# Altium PCB Thunder-Refix.PcbDoc
Units mil, origin at the board's own origin, x right, y up, seen from the top; angles counter-clockwise.
Board outline 1535.43 x 1299.21 mil, 2 copper layers (Top Layer, Bottom Layer), stack 42.17 mil thick; 70 components, 67 nets, 317 pads, 81 vias.
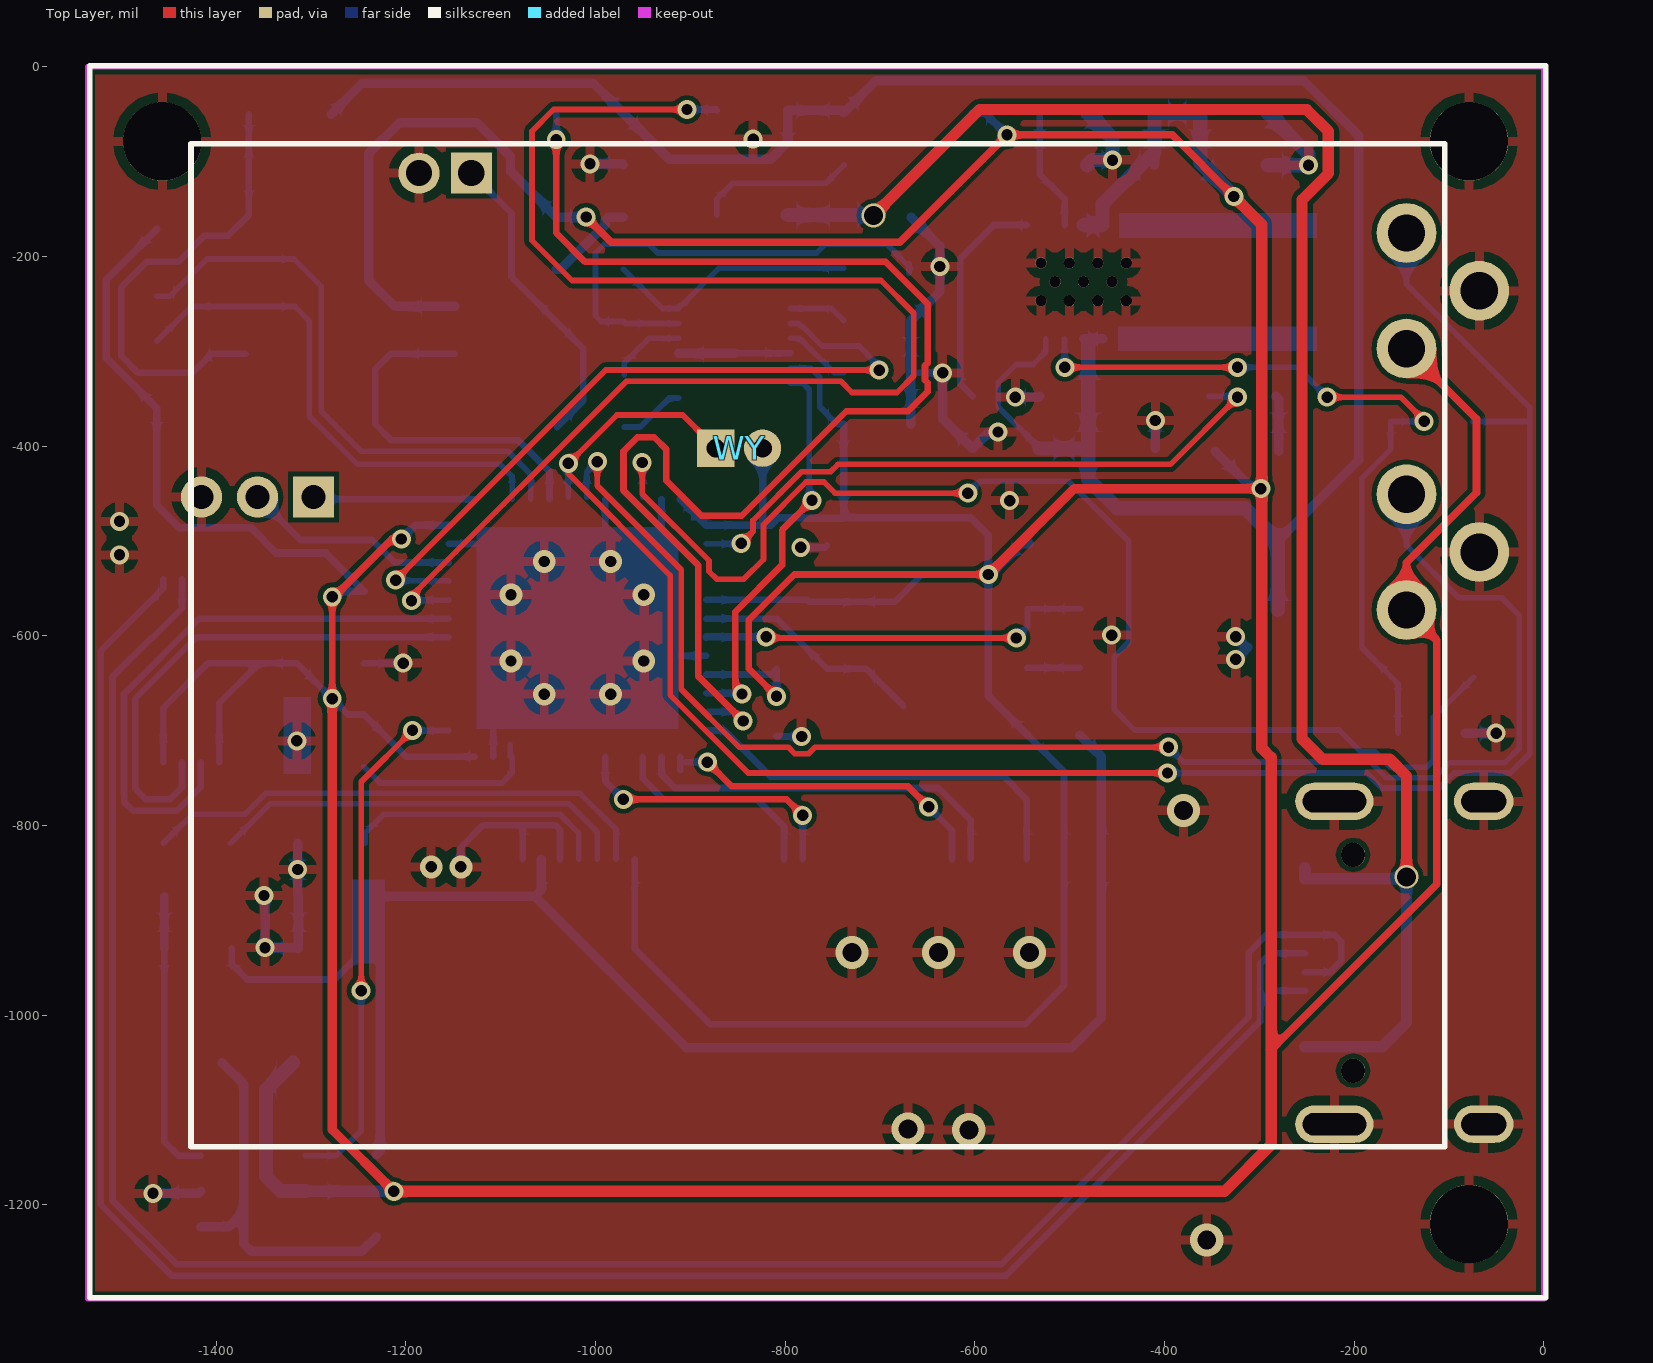
[diagram p0: Top Layer view]
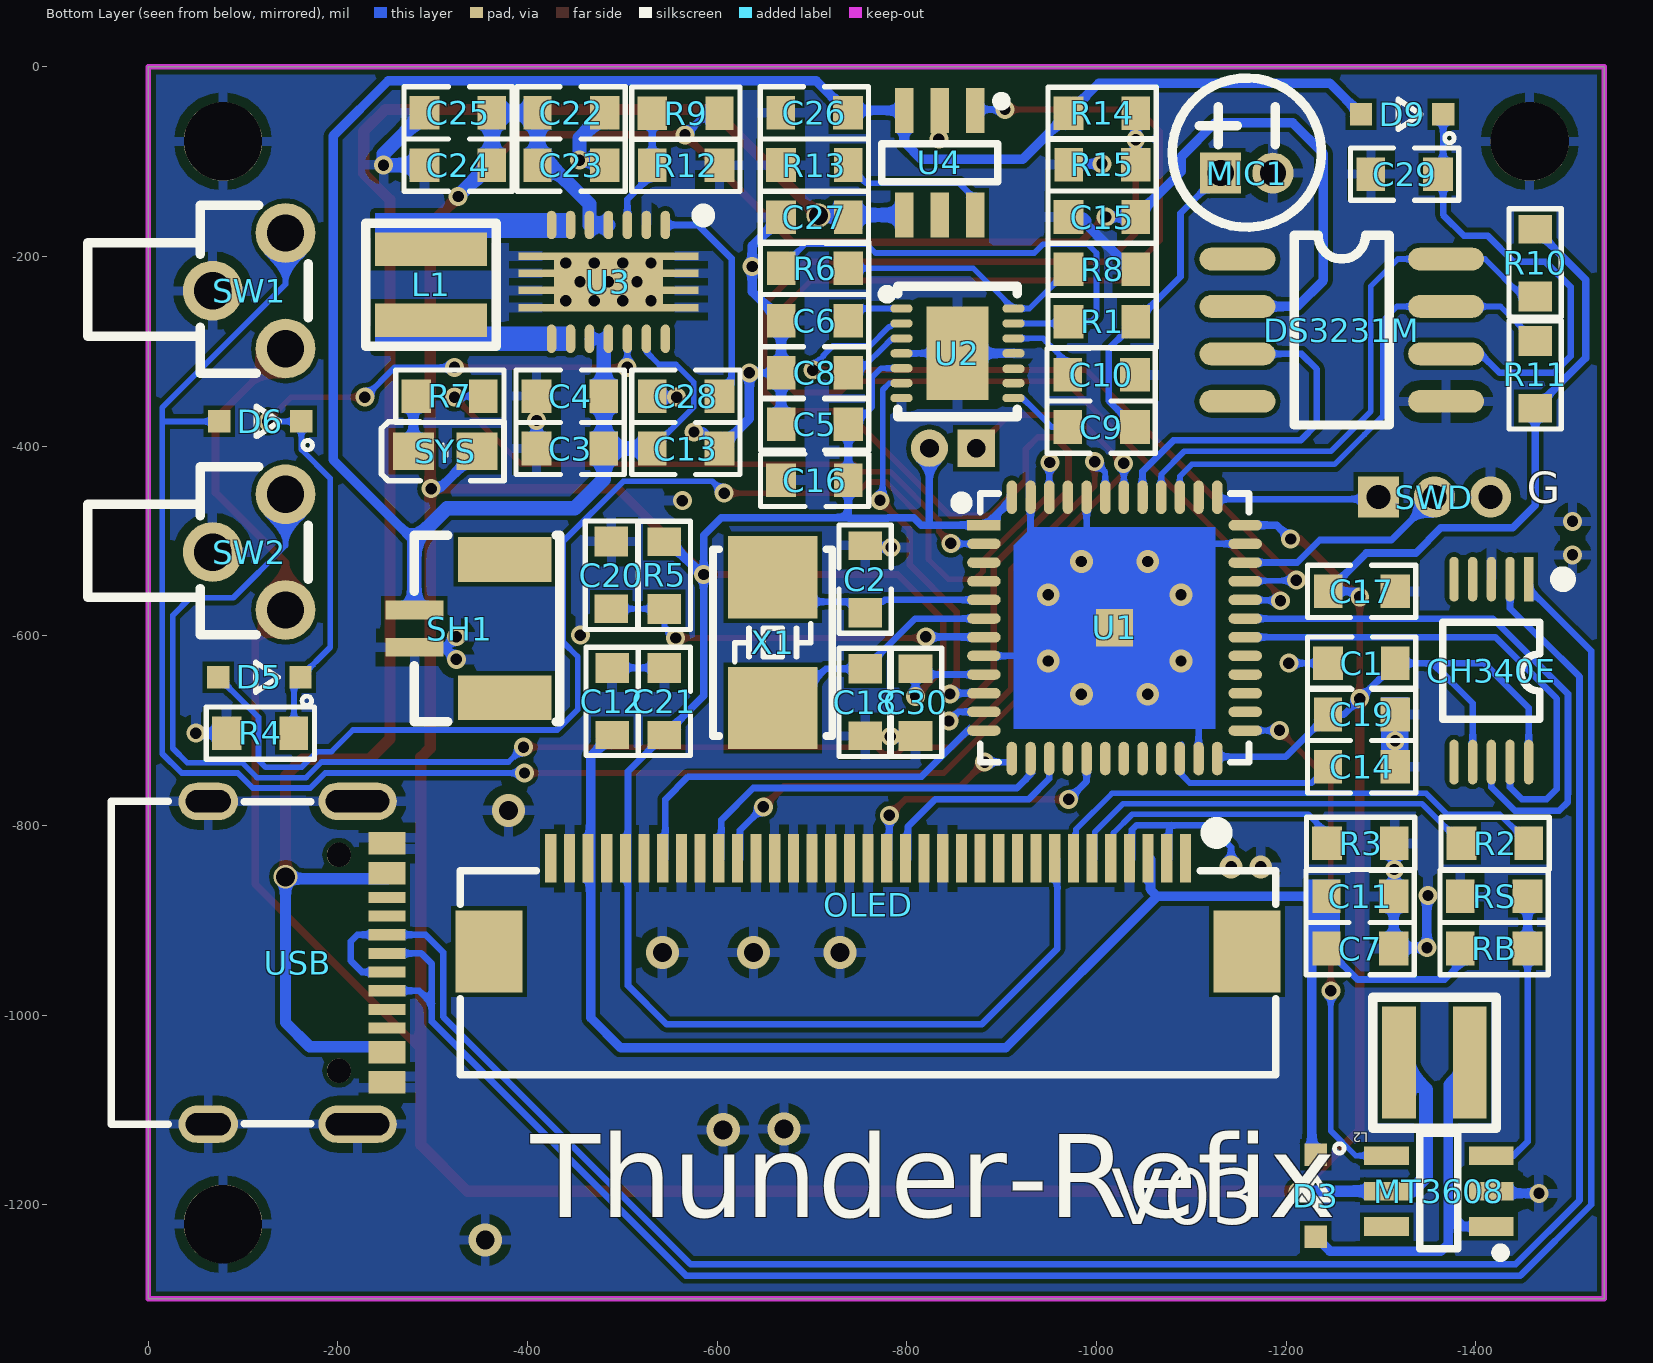
[diagram p1: Bottom Layer view, seen from below]
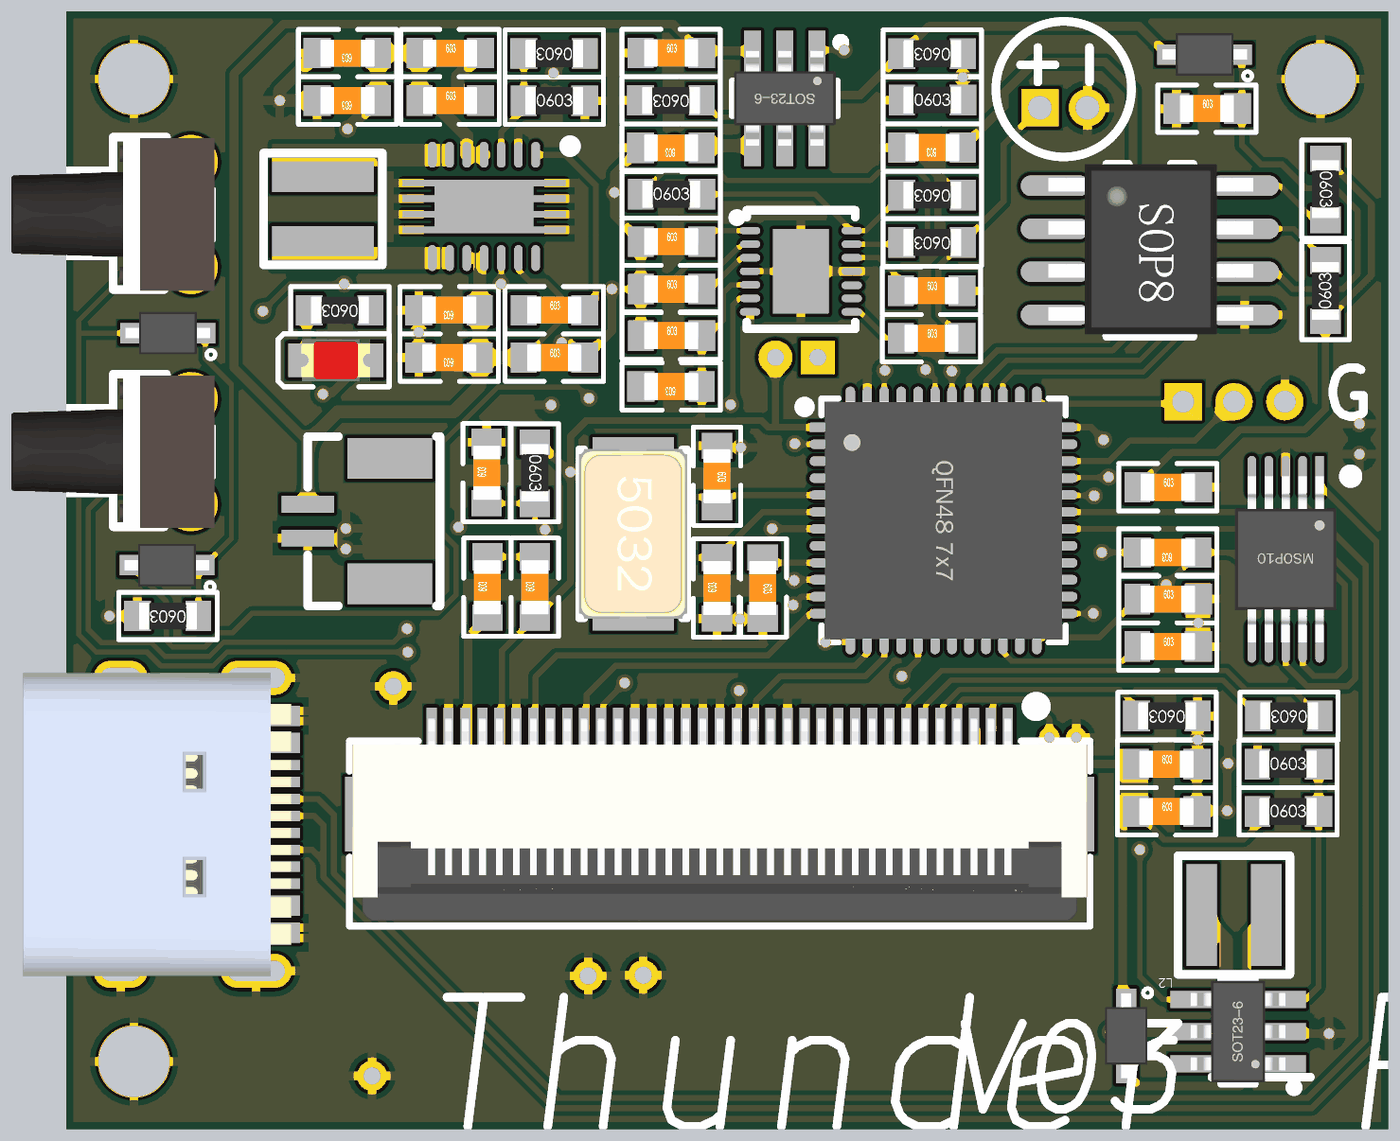
[diagram p2: 3D render of the assembled board from below, using the file's embedded part models]

## Layer stack, top to bottom
Top Solder: solder mask 0.4, Solder Resist, Dk 3.5
Top Layer: signal copper 1.4
Dielectric 1: dielectric 39.3701, FR-4, Dk 4.8
Bottom Layer: signal copper 1.4
Bottom Solder: solder mask 0.4, Solder Resist, Dk 3.5

## Board outline
-1535.43,-1299.21 -1535.43,0 0,0 0,-1299.21

## Design rules (kind name [scope] priority, off if disabled: settings)
Clearance [All] p1: gap=5 ignorepadtopadclearanceinfootprint=FALSE except(0: Arc-Hole Track-Hole SMDPad-Hole THPad-Hole Via-Hole Fill-Hole Poly-Hole Region-Hole Text-Hole)
ComponentClearance [All] p1 off: gap=10 collisioncheckmode=3 verticalgap=10 showdistances=FALSE
Height [All] p1 off: minheight=0 maxheight=1000 prefheight=500
PolygonConnect [All] p1: connectstyle=Relief reliefconductorwidth=10 reliefentries=4 polygonreliefangle="90 Angle" airgapwidth=10
RoutingVias [All] p1: holewidth=28 width=50 viastyle="Through Hole" minholewidth=28 minwidth=50 maxholewidth=28 maxwidth=50
SolderMaskExpansion [All] p1: expansion=4
Width [All] p1: maxlimit=40 minlimit=6 preferedwidth=10 bottomlayer_maxwidth=15 minimp=50.000000 maximp=50.000000 favimp=50.000000
28 further rules are at their usual default settings.

## Components (designator, comment, footprint, x,y, rotation, side; value= is the part's Value field where it differs from the comment)
C1 "0.1u" 0603C -1279.53,-628.94 r0 bottom
C2 "20P" 0603C -755.91,-540.35 r270 bottom
C3 "106" 0603c -444.88,-402.56 r0 bottom
C4 "106" 0603c -444.88,-347.44 r0 bottom
C5 "220nF" 0603c -702.75,-376.96 r180 bottom
C6 "100nF" 0603c -702.75,-267.71 r180 bottom
C7 "104" 0603C -1277.92,-929.86 r180 bottom
C8 "220nF" 0603c -702.75,-322.82 r180 bottom
C9 "100nF" 0603c -1004.92,-379.91 r180 bottom
C10 "470nF" 0603c -1004.92,-324.79 r180 bottom
C11 "4.7uF" 0603C -1277.92,-874.86 r180 bottom
C12 "4.7uF" 0603C -489.17,-669.29 r90 bottom
C13 "106" 0603c -566.93,-402.56 r180 bottom
C14 "4.7u" 0603C -1279.48,-738.19 r180 bottom
C15 "0.1u" 0603C -1005.91,-158.46 r0 bottom
C16 "104" 0603C -702.76,-436.02 r0 bottom
C17 "104" 0603C -1279.53,-553.15 r180 bottom
C18 "20P" 0603C -755.91,-670.28 r90 bottom
C19 "104" 0603C -1279.48,-683.07 r180 bottom
C20 "104" 0603C -488.33,-536.25 r90 bottom
C21 "105" 0603C -544.29,-669.29 r90 bottom
C22 "106" 0603C -445.87,-48.66 r180 bottom
C23 "22uf" 0603C -445.87,-103.77 r180 bottom
C24 "22uf" 0603C -326.77,-103.77 r0 bottom
C25 "104" 0603C -326.77,-48.66 r0 bottom
C26 "10uF" 0603c -702.5,-48.5 r180 bottom
C27 "1uF" 0603c -702.5,-158.74 r0 bottom
C28 "104" 0603c -566.93,-347.44 r180 bottom
C29 "106" 0603c -1324.8,-113.19 r180 bottom
C30 "104" 0603C -809.06,-670.28 r270 bottom
CH340E "CH340E" MSOP10_L -1416.34,-636.81 r0 bottom
D3 "SS14" SOD323_1N4148WS -1231.03,-1190.69 r270 bottom
D5 "SS14" SOD323_1N4148WS -117.13,-643.7 r0 bottom
D6 "SS14" SOD323_1N4148WS -118.11,-374.02 r0 bottom
D9 "SS14" SOD323_1N4148WS -1322.13,-50.2 r0 bottom
DS3231M "DS3231M" SOP8 -1149.61,-201.77 r180 bottom
L1 "1.5uH" IND-SMD_L3.0-W3.0_NR3010 -298.23,-229.76 r90 bottom
L2 "22uH" IND-SMD_L3.0-W3.0_NR3010 -1356.3,-1050.27 r0 bottom
MIC1 "GMI4015P-2C-56DB" MIC-TH_BD4.0-P2.00-D0.4-L-FD -1158.46,-112.2 r180 bottom
MT3608 "MT3608" SOT23-6N -1361.03,-1185.69 r90 bottom
OLED "FPC1.0-35P" "1.69 OLED" -759.03,-883.86 r0 top
R1 "2.2K" 0603r -1005.9,-268.69 r0 bottom
R2 "10K" 0603R -1420.28,-818.9 r0 bottom
R3 "68K" 0603R -1278.54,-818.9 r0 bottom
R4 "1M" 0603r -118.11,-702.76 r0 bottom
R5 "10K" 0603R -544.29,-536.42 r270 bottom
R6 "150K" 0603r -702.75,-212.59 r180 bottom
R7 "3K" 0603R -317.91,-347.44 r0 bottom
R8 "100K" 0603r -1005.9,-213.57 r0 bottom
R9 "1M" 0603R -566.93,-49.02 r0 bottom
R10 "4.7K" 0603R -1462.6,-206.69 r270 bottom
R11 "4.7K" 0603R -1462.6,-324.8 r90 bottom
R12 "180K" 0603r -566.93,-103.95 r180 bottom
R13 "1.5K" 0603r -702.5,-103.62 r0 bottom
R14 "50K" 0603r -1005.91,-49.21 r0 bottom
R15 "50K" 0603r -1005.89,-103.3 r180 bottom
RB "150K" 0603R -1419.14,-929.86 r180 bottom
RS "6.8K" 0603R -1419.14,-874.86 r180 bottom
SH1 "SH1.0-2P" SH1.0-2P -359.25,-592.52 r90 bottom
SW1 "K2-1109DE-H4SW-04" KEY-TH_K2-1109DE-CXXW-XX -106.3,-236.22 r270 bottom
SW2 "K2-1109DE-H4SW-04" KEY-TH_K2-1109DE-CXXW-XX -106.3,-511.81 r270 bottom
SWD "HDR-1X3" ZH1.5-LI-3P -1356.3,-453.74 r180 bottom
SYS "粉色" 0603LED -312.99,-405.51 r0 bottom
U1 "STM32F401CCU6" "QFN48 7X7_N" -1018.98,-591.71 r270 bottom
U2 "MAX9814ETD+T" TDFN-14_L3.0-W3.0-P0.40-BL-EP -853.34,-302.16 r270 bottom
U3 "TPS63020" TPS63020 -485.24,-226.8 r0 bottom
U4 "TP4059" SOT23-6N -834.58,-101.18 r0 bottom
USB "Type-C" Type-C -157.48,-944.88 r0 bottom
WY "HDR-1X2" "MX 1.25-WI-2P" -848.35,-402.27 r0 top
X1 "1.6.1.01.005.001" "OSC 5032-2P" -658.46,-607.28 r270 bottom value=8MHz

## Footprints (in the part's own frame and the unit in brackets; to place one, negate y for a bottom-side part, rotate by r counter-clockwise, add the part's x,y. Pads: shape width x height; smd on the part's side, far side on the other; paste and mask are expansions set on the pad)
"1.69 OLED" [mm]
  rect 1.8x2.2 smd far side: 0(-10.15,-1.248) 0(10.15,-1.248)
  rect 0.3x1.3 smd far side: 1(-8.5,1.248) 2(-8,1.248) 3(-7.5,1.248) 4(-7,1.248) 5(-6.5,1.248) 6(-6,1.248) 7(-5.5,1.248) 8(-5,1.248) 9(-4.5,1.248) 10(-4,1.248) 11(-3.5,1.248) 12(-3,1.248) 13(-2.5,1.248) 14(-2,1.248) 15(-1.5,1.248) 16(-1,1.248) 17(-0.5,1.248) 18(0,1.248) 19(0.5,1.248) 20(1,1.248) 21(1.5,1.248) 22(2,1.248) 23(2.5,1.248) 24(3,1.248) 25(3.5,1.248) 26(4,1.248) 27(4.5,1.248) 28(5,1.248) 29(5.5,1.248) 30(6,1.248) 31(6.5,1.248) 32(7,1.248) 33(7.5,1.248) 34(8,1.248) 35(8.5,1.248)
  silkscreen extent -19.66,-10.52 19.34,22.48, body extent -10.85,-4.4 10.85,1.6, height 2
0603C [mm]
  rect 0.762x0.9 smd: 1(-0.9,0)
  rect 0.8x0.9 smd: 2(0.9,0)
  silkscreen extent -1.45,-0.7 1.45,0.7, body extent -0.8,-0.4 0.8,0.4, height 0.3
0603c [mm]
  rect 0.762x0.9 smd: 1(-0.9,0)
  rect 0.8x0.9 smd: 2(0.9,0)
  silkscreen extent -1.45,-0.7 1.45,0.7, body extent -0.8,-0.4 0.8,0.4, height 0.3
0603LED [mm]
  rect 1.1x1 smd: 1(-0.85,0) 2(0.85,0)
  silkscreen extent -1.57,-0.79 1.7,0.79, body extent -1.01,-0.62 1.01,0.63, height 1.1
0603r [mm]
  rect 0.762x0.9 smd: 1(-0.9,0)
  rect 0.8x0.9 smd: 2(0.9,0)
  silkscreen extent -1.45,-0.7 1.45,0.7, body extent -0.85,-0.4 0.85,0.4, height 0.56
0603R [mm]
  rect 0.762x0.9 smd: 1(-0.9,0)
  rect 0.8x0.9 smd: 2(0.9,0)
  silkscreen extent -1.45,-0.7 1.45,0.7, body extent -0.85,-0.4 0.85,0.4, height 0.56
IND-SMD_L3.0-W3.0_NR3010 [mm]
  rect 0.9x3 smd: 1(-0.95,0) 2(0.95,0)
  silkscreen extent -1.65,-1.75 1.65,1.75
KEY-TH_K2-1109DE-CXXW-XX [mm]
  round 1.6 hole 1: 1(-1.549,0.975) 2(1.549,0.975) 3(0,-0.975)
  silkscreen extent -2.29,-4.32 2.21,1.59, body extent -2.25,-4.32 2.25,1.68, height 4.59
MIC-TH_BD4.0-P2.00-D0.4-L-FD [mm]
  rect 1.1x1.1 hole 0.7: 1(-0.7,0)
  round 1.1 hole 0.7: 2(0.7,0)
  silkscreen extent -2,-1.45 2,2.55
MSOP10_L [mm] "塑封体长3mm，宽3mm，脚距0.5"
  rect 0.25x1.2 smd: 1(-1,-2.45)
  oval 0.25x1.2 smd: 2(-0.5,-2.45) 3(0,-2.45) 4(0.5,-2.45) 5(1,-2.45) 6(1,2.45) 7(0.5,2.45) 8(0,2.45) 9(-0.5,2.45) 10(-1,2.45)
  silkscreen extent -2.07,-2.6 1.3,1.3, body extent -1.5,-2.45 1.5,2.45, height 0.95
"MX 1.25-WI-2P" [mm] "长：4.25mm，宽：1.8mm，高：3.3mm"
  rect 1x1 hole 0.5: 1(-0.625,0)
  round 1 hole 0.5: 2(0.625,0)
"OSC 5032-2P" [mm] "5mm*3.2mm*0.8mm(长*宽*高)"
  rect 2.2x2.4 smd: 1(-1.75,0) 2(1.75,0)
  silkscreen extent -2.5,-1.6 2.5,1.6, body extent -2.5,-1.6 2.5,1.6, height 0.86
"QFN48 7X7_N" [mm] "48脚，长x宽x高：7x7x1mm，脚距：0.5mm"
  rect 0.28x0.9 smd: 1(-2.75,-3.5)
  oval 0.28x0.9 smd: 2(-2.25,-3.5) 3(-1.75,-3.5) 4(-1.25,-3.5) 5(-0.75,-3.5) 6(-0.25,-3.5) 7(0.25,-3.5) 8(0.75,-3.5) 9(1.25,-3.5) 10(1.75,-3.5) 11(2.25,-3.5) 12(2.75,-3.5) 25(2.75,3.5) 26(2.25,3.5) 27(1.75,3.5) 28(1.25,3.5) 29(0.75,3.5) 30(0.25,3.5) 31(-0.25,3.5) 32(-0.75,3.5) 33(-1.25,3.5) 34(-1.75,3.5) 35(-2.25,3.5) 36(-2.75,3.5)
  oval 0.9x0.28 smd: 13(3.5,-2.75) 14(3.5,-2.25) 15(3.5,-1.75) 16(3.5,-1.25) 17(3.5,-0.75) 18(3.5,-0.25) 19(3.5,0.25) 20(3.5,0.75) 21(3.5,1.25) 22(3.5,1.75) 23(3.5,2.25) 24(3.5,2.75) 37(-3.5,2.75) 38(-3.5,2.25) 39(-3.5,1.75) 40(-3.5,1.25) 41(-3.5,0.75) 42(-3.5,0.25) 43(-3.5,-0.25) 44(-3.5,-0.75) 45(-3.5,-1.25) 46(-3.5,-1.75) 47(-3.5,-2.25) 48(-3.5,-2.75)
  rect 1x1 smd mask+0.051: 49(0,0)
  Top Layer region: -2.7,2.7 2.7,2.7 2.7,-2.7 -2.214,-2.7 -2.7,-2.214
  silkscreen extent -3.6,-4.25 3.6,3.6, body extent -3.51,-3.51 3.51,3.51, height 0.95
SH1.0-2P [mm]
  rect 0.5x1.55 smd: 1(0.5,2) 2(-0.5,2)
  rect 1.2x2.5 smd: GND(-1.85,-0.425) GND(1.85,-0.425)
  silkscreen extent -2.5,-1.9 2.5,2
SOD323_1N4148WS [mm]
  rect 0.6x0.6 smd: A(1.1,0) C(-1.1,0)
  silkscreen extent -1.4,-0.4 0.1,0.76, body extent -1.25,-0.62 1.25,0.63, height 0.9
SOP8 [mil]
  oval 80x24 smd: 1(-1,-1) 2(-1,-51) 3(-1,-101) 4(-1,-151) 5(219,-151) 6(219,-101) 7(219,-51) 8(219,-1)
  silkscreen extent 59,-176 159,24, body extent -9,-174 229,24, height 63
SOT23-6N [mm] "3x1.6x1.1mm(长宽高)"
  rect 0.5x1.2 smd: 1(-0.95,-1.4) 2(0,-1.4) 3(0.95,-1.4) 4(0.95,1.4) 5(0,1.4) 6(-0.95,1.4)
  silkscreen extent -1.78,-1.78 1.55,0.51, body extent -1.5,-1.4 1.5,1.4, height 1.15
TDFN-14_L3.0-W3.0-P0.40-BL-EP [mm]
  oval 0.22x0.6 smd: 1(-1.2,-1.5) 2(-0.8,-1.5) 3(-0.4,-1.5) 4(0.001,-1.5) 5(0.4,-1.5) 6(0.8,-1.5) 7(1.2,-1.5) 8(1.2,1.5) 9(0.8,1.5) 10(0.416,1.5) 11(0,1.5) 12(-0.4,1.5) 13(-0.8,1.5) 14(-1.2,1.5)
  rect 2.5x1.65 smd: 15(0,0)
  silkscreen extent -1.8,-2.01 1.7,1.6
TPS63020 [mil] "High Efficiency Single Inductor Buck-Boost Converter With 4-A Switches"
  oval 10x30 smd: 1(-60,-60) 2(-40,-60) 3(-20,-60) 4(0,-60) 5(20,-60) 6(40,-60) 7(60,-60) 8(60,60) 9(40,60) 10(20,60) 11(0,60) 12(-20,60) 13(-40,60) 14(-60,60)
  rect 50x7.87 smd: 15(-70,-27.17) 15(-70,-9.06) 15(-70,9.06) 15(-70,27.17) 15(70,-27.17) 15(70,-9.06) 15(70,9.06) 15(70,27.17)
  round 11.81 hole 11.81: 15(-45,-20) 15(-45,20) 15(-30,0) 15(-15,-20) 15(-15,20) 15(0,0) 15(15,-20) 15(15,20) 15(30,0) 15(45,-20) 15(45,20)
  rect 115x62.2 smd: 15(0,0)
  silkscreen extent -105,-75 -95,-65, body extent -85,-65 85,65, height 30
Type-C [mm]
  round 0.65 hole 0.65: 0(-1.105,-2.89) 0(-1.105,2.89)
  oval 1.6x1 hole 0.6 slot 1.2 at 0 deg: 1(2.395,4.325) 2(2.395,-4.325)
  oval 2.1x1 hole 0.6 slot 1.7 at 0 deg: 3(-1.605,-4.325) 4(-1.605,4.325)
  rect 1x0.3 smd: A1(-2.395,-3.35) A4(-2.395,-2.55) A5(-2.395,-1.25) A6(-2.395,-0.25) A7(-2.395,0.25) A8(-2.395,1.25) A9(-2.395,2.55) A12(-2.395,3.35) B1(-2.395,3.05) B4(-2.395,2.25) B5(-2.395,1.75) B6(-2.395,0.75) B7(-2.395,-0.75) B8(-2.395,-1.75) B9(-2.395,-2.25) B12(-2.395,-3.05)
  silkscreen extent -0.34,-4.33 4.99,4.33, body extent -2.63,-4.47 5.27,4.47, height 3.21
ZH1.5-LI-3P [mm] "长：6.0，宽：3.65，高：4.55"
  rect 1.1x1.1 hole 0.65: 1(-1.5,0)
  round 1.1 hole 0.65: 2(0,0) 3(1.5,0)

## Part data
C2 C7 C11 C12 C16 C17 C18 C19 C20 C21 C30: library part 电容
C3 C4 C13 C22 C23 C24 C25 C28 C29: library part cap, U=50V, 参数=Cap,0805,X7R,104K,50V,125C,±1
  C3 C4 C13 C22 C29: C=106
  C23 C24: C=22uf
  C25 C28: C=104
C5 C8: BOM_Manufacturer="Murata Electronics", BOM_Manufacturer Part=GCJ21BR71H224KA01L, BOM_Supplier=LCSC, BOM_Supplier Part=C354366, Contributor=LCSC, nameAlias=Capacitance, spicePre=C, spiceSymbolName=GCJ21BR71H224KA01L
C6 C9: BOM_Manufacturer=AVX, BOM_Manufacturer Part=FS055C104K4Z2A, BOM_Supplier=LCSC, BOM_Supplier Part=C444732, Contributor=LCSC, nameAlias=Capacitance, spicePre=C, spiceSymbolName=FS055C104K4Z2A
C10: BOM_LCSC Assembly=Yes, BOM_Manufacturer=SAMSUNG, BOM_Manufacturer Part=CL21B474KBFNNNE, BOM_Supplier=LCSC, BOM_Supplier Part=C13967, nameAlias=Capacitance, SMT Type=Basic, spicePre=C, spiceSymbolName=CL21B474KBFNNNE
C26: BOM_Manufacturer="Murata Electronics", BOM_Manufacturer Part=GRM21BB31C106KE15L, BOM_Supplier=LCSC, BOM_Supplier Part=C162317, Contributor=LCSC, nameAlias=Capacitance, spicePre=C, spiceSymbolName=GRM21BB31C106KE15L
C27: BOM_Manufacturer="Taiyo Yuden", BOM_Manufacturer Part=UMK212BJ105KG-T, BOM_Supplier=LCSC, BOM_Supplier Part=C319195, Contributor=LCSC, nameAlias=Capacitance, spicePre=C, spiceSymbolName=UMK212BJ105KG-T
D3 D5 D6 D9: library part 1N4148WS, "Diode Switching 75V 0.3A 2-Pin SOD-323 T/R", Package="S-0 Good-Ark", Availability=Unavailable, MF="ON Semiconductor", MP=1N4148WS, Price=None, SnapEDA_Link=https://www.snapeda.com/parts/1N4148WS/ON%20Semiconductor/view-part/?ref=snap
L1: library part "Inductor Iron 2", _Current=10A, _Accuracy=20%, _Comma=,, _Footprint=1040, _Name=IND, _Specification=IND,1040,1.5uH,10A,20%, _Value=1.5uH
L2: library part L-CDRH, "功率屏蔽电感", BOM名称=¹¦ÂÊÆ, 学习资源=www.ooocke.
MIC1: BOM_Manufacturer=INGHAi, BOM_Manufacturer Part=GMI4015P-2C-56db, BOM_Supplier=LCSC, BOM_Supplier Part=C233299, Contributor=LCSC, spicePre=M, spiceSymbolName=GMI4015P-2C-56DB
MT3608: library part SX1308, "可调升压芯片", BOM名称=¿Éµ÷É, 学习资源=www.ooocke.
OLED: library part FPC-35P, "FPC连接器", BOM名称=FPC连, 学习资源=www.ooocke.
R1: BOM_Manufacturer=Tyohm, BOM_Manufacturer Part=RMC08052.2K1%N, BOM_Supplier=LCSC, BOM_Supplier Part=C325769, Contributor=LCSC, nameAlias="Resistance (Ohms)", spicePre=R, spiceSymbolName=RMC08052.2K1%N
R2 R3 R5 R7 R10 R11 RB RS: library part R, "贴片电阻", BOM名称=ÌùÆ, 学习资源=www.ooocke.
R4 R9 R12: library part Res, P=1/8W, 参数=Res,0805,0R,±1%,1/8W,100ppm,15
  R4 R9: R=1M
  R12: R=180K
R6: BOM_Manufacturer=Tyohm, BOM_Manufacturer Part=RMC0805150K1%N, BOM_Supplier=LCSC, BOM_Supplier Part=C325765, Contributor=LCSC, nameAlias="Resistance (Ohms)", spicePre=R, spiceSymbolName=RMC0805150K1%N
R8: BOM_LCSC Assembly=Yes, BOM_Manufacturer="Stackpole Elec", BOM_Manufacturer Part=RTAN0805BKE100K, BOM_Supplier=LCSC, BOM_Supplier Part=C346756, Contributor=LCSC, nameAlias="Resistance (Ohms)", SMT Type=Extend, spicePre=R, spiceSymbolName=RTAN0805BKE100K
R13: BOM_Manufacturer=YAGEO, BOM_Manufacturer Part=RC0603FR-071K5L, BOM_Supplier=LCSC, BOM_Supplier Part=C114668, nameAlias="Resistance (Ohms)", spicePre=R, spiceSymbolName=RC0603FR-071K5L
R14 R15: library part 1.5K, BOM_Manufacturer=YAGEO, BOM_Manufacturer Part=RC0603FR-071K5L, BOM_Supplier=LCSC, BOM_Supplier Part=C114668, nameAlias="Resistance (Ohms)", spicePre=R, spiceSymbolName=RC0603FR-071K5L
SW1 SW2: BOM_Manufacturer=º«¹úº, BOM_Manufacturer Part=K2-1109DE-H4SW-04, BOM_Supplier=LCSC, BOM_Supplier Part=C961730, Contributor=LCSC, spicePre=S, spiceSymbolName=K2-1109DE-H4SW-04
SWD: library part "Header 3", "3P接插件", BOM名称=3P接, 学习资源=www.ooocke.
SYS: library part LED-F234, "方形LED", BOM名称=方形, 学习资源=www.ooocke.
U1: BOM_Manufacturer=ST, BOM_Manufacturer Part=STM32F401CCU6, BOM_Supplier=LCSC, BOM_Supplier Part=C79861, spicePre=U, spiceSymbolName=STM32F401CCU6, subpart_no=1, tags=STM32
U2: BOM_Manufacturer=MAXIM, BOM_Manufacturer Part=MAX9814ETD+T, BOM_Supplier=LCSC, BOM_Supplier Part=C41714, image=//image.lceda.cn/szlcsc/C41714.jpg, spicePre=U, spiceSymbolName=MAX9814ETD+T
U4: BOM_LCSC Assembly=Yes, BOM_Manufacturer=TOPPOWER, BOM_Manufacturer Part=TP4059, BOM_Supplier=LCSC, BOM_Supplier Part=C80364, SMT Type=Extend, spicePre=U, spiceSymbolName=TP4059
WY: library part "Header 2", "2P接插件", BOM名称=2P接插件, 学习资源=www.ooocke.com, 版权归属=源创客
X1: "XTAL,8MHz,±20PPM,12.6*4.5", K3 No.=1.6.1.01.005.001
C1 C14 C15: Contributor=LCEDA_Lib, nameAlias=Value(F), spicePre=C, spiceSymbolName=C_0402_US
SH1: Contributor=perry2867, spicePre=J, spiceSymbolName=SH1.0-2P

## Free pads (board coordinates)
  round 82.68 hole 82.68: 0(-1456.69,-78.74) 0(-78.74,-1220.47) 0(-78.74,-78.74)

## Via types
v1: diameter 20, hole 12, Top Layer to Bottom Layer, tented both sides, 62 vias
v2: diameter 24, hole 12, Top Layer to Bottom Layer, 10 vias
v3: diameter 35, hole 20, Top Layer to Bottom Layer, 7 vias
v4: diameter 25, hole 20, Top Layer to Bottom Layer, 2 vias

## Nets (pads, with @x,y where several pads share a name; then routed paths per layer and width w, separated by ;. In a path a pad name is that pad's centre, name@x,y a point inside that pad or via, vN(x,y) a via of type N, cw(c..) or ccw(c..) an arc to the next point about the centre after c; other vN are vias at no path point)
3.3: C1.1 C5.2 C15.1 C16.1 C17.1 C19.1 C21.1 C22.1 C23.1 C24.1 C25.1 C30.1 CH340E.7 CH340E.10 DS3231M.2 L2.2 MT3608.5 OLED.8 OLED.31 R5.1 R9.1 R10.1 R11.1 SW1.2 SW2.2 SYS.1 U1.1 U1.9 U1.24 U1.36 U1.48 U2.5 U3.4 U3.5 WY.2 | length 9438.1
  Top Layer w7: v1(-1277.56,-666.34) -1277.56,-561.02 v1(-1277.56,-559.06) ; v1(-809.06,-663.89) -838.38,-634.56 -838.38,-583.46 -790.35,-535.43 v1(-585.63,-535.43)
  Top Layer w8: v1@-1277.56,-561.02 -1214.57,-498.03 v1(-1204.72,-498.03) ; v1(-1009.84,-158.46) -983.27,-185.04 -679.13,-185.04 v1(-565.94,-71.85) -391.73,-71.85 v1(-326.77,-136.81) ; -287.4,-1036.42 -112.82,-861.84 -112.82,-604.69 SW2.2 -144.7,-523.09 -70.87,-449.26 -70.87,-371.05 SW1.2
  Top Layer w10: v1(-1277.56,-666.34) -1277.56,-1121.06 v1(-1212.6,-1186.02) ; v1(-585.63,-535.43) -495.08,-444.88 v1(-298.23,-444.88)
  Top Layer w12: v1(-1212.6,-1186.02) -336.61,-1186.02 -287.4,-1136.81 -287.4,-1036.42 -287.4,-728.35 -297.24,-718.5 -297.24,-166.34 v1(-326.77,-136.81)
  Bottom Layer w6: U2.5 -772.63,-317.91 -763.48,-327.06 -763.48,-358.56 -745.07,-376.96 C5.2
  Bottom Layer w7: CH340E.10 -1455.71,-676.18 -1408.46,-628.94 -1354.33,-628.94 ; CH340E.7 -1396.65,-671.26 -1354.33,-628.94 ; U1.24@-1127.28,-727.51 -1199.61,-727.51 C19.1 -1260.83,-683.07 C1.1 -1354.33,-628.94 ; OLED.8@-958.66,-835.69 -958.66,-929.86 -878.68,-1009.84 -546.71,-1009.84 -505.91,-969.04 -505.91,-835.69 -505.91,-743.11 C21.1 ; U1.9@-883.18,-640.91 -815.12,-640.91 C30.1 v1(-809.06,-663.89)
  Bottom Layer w8: R10.1 -1515.75,-224.41 -1515.75,-307.09 R11.1 -1462.6,-462.41 -1438.79,-486.22 -1363.19,-486.22 -1336.61,-512.8 -1284.45,-512.8 C17.1 -1271.65,-553.15 v1(-1277.56,-559.06) ; v1(-1204.72,-498.03) -1190.1,-483.41 U1.36@-1154.78,-483.41 ; U1.48@-910.68,-455.91 -883.18,-483.41 -823.82,-483.41 ; WY.2 -823.74,-483.33 -823.82,-483.41 ; C5.2 C16.1 -738.19,-475.56 ; R9.1 -588.78,-49.02 v1(-565.94,-71.85) ; C21.1 -585.63,-663.39 v1(-585.63,-535.43) -585.63,-494.09 -604.16,-475.56 -738.19,-475.56 ; -823.82,-483.41 -815.1,-483.41 -807.26,-475.56 -780.12,-475.56 -779.52,-476.16 -738.78,-476.16 -738.19,-475.56
  Bottom Layer w10: DS3231M.2 -1211.69,-252.77 -1239.17,-225.29 -1239.17,-91.54 -1206.69,-59.06 -1125,-59.06 -1089.57,-94.49 -1089.57,-110.24 C15.1 v1(-1009.84,-158.46) ; v1(-585.63,-535.43) -584.65,-536.42 -551.18,-502.95 -542.32,-502.95 R5.1 ; C23.1 C23.1@-410.43,-89.99 ; C24.1 C24.1@-362.2,-100.82 ; SYS.1 v1@-308.07,-443.9
  Bottom Layer w12: MT3608.5 v1@-1212.6,-1185.69
  Bottom Layer w15: L2.2 -1347.44,-1078.81 -1347.44,-1170.28 -1332.03,-1185.69 MT3608.5 ; U3.4 U3.5 -465.24,-144.8 -410.43,-89.99 C22.1 C25.1 -362.2,-100.82 v1@-326.21,-136.81
5V: C27.1 U4.4 USB.A4 USB.A9 USB.B4 USB.B9 | length 1902.1
  Top Layer w12: v4(-706.69,-156.8) -594.97,-45.08 -250,-45.08 -227.03,-68.05 -227.03,-112.47 -254.92,-140.36 -254.92,-708.66 -233.27,-730.31 -162.42,-730.31 -144.7,-748.03 v4(-144.7,-854.33)
  Bottom Layer w12: USB.B4 -170.28,-1033.46 -144.7,-1007.89 v4(-144.7,-854.33) -146.67,-856.3 USB.B9 USB.A4
  Bottom Layer w15: U4.4 -707.2,-156.3 v4(-706.69,-156.8)
AR: U2.9
BAT: C3.1 C4.1 C13.1 C26.2 D9.A R14.2 SH1.1 U3.10 U3.11 U3.13 U4.3 | length 2359.3
  Bottom Layer w6: C13.1 -575.09,-358.97 -575.09,-332.58 -556.48,-313.98 -538.39,-313.98 -525.24,-300.83 U3.13
  Bottom Layer w10: D9.A -1246.07,-17.44 -1002.24,-17.44 R14.2 -922.34,-97.34 -814.86,-97.34 -797.18,-79.66 U4.3 -740.37,-46.06 C26.2 -704.19,-14.76 -252.95,-14.76 -194.88,-72.83 -194.88,-414.37 -280.51,-500 ; U3.11@-480.31,-291.73 U3.11 U3.10
  Bottom Layer w15: C13.1 C3.1 ; U3.11@-480.31,-291.73 C4.1 C3.1 ; SH1.1 -280.51,-500 -314.96,-465.55 -449.8,-465.55 -480.31,-435.04 C3.1
BATDET: R14.1 R15.2 U1.11 | length 1484.4
  Top Layer w7: v1@-1041.34,-74.8 v1(-1041.34,-76.77) -1041.34,-175.2 -1010.83,-205.71 -693.9,-205.71 -649.61,-250 -649.61,-312.4 -652.39,-315.19 -652.39,-330.52 -649.61,-333.3 -649.61,-342.52 -670.29,-363.2 -735.43,-363.2 -845.65,-473.43 -888.26,-473.43 -925.2,-436.49 -925.2,-403.54 -937.99,-390.75 -955.71,-390.75 -970.47,-405.51 -970.47,-446.85 -891.73,-525.59 -891.73,-642.51 v1(-844.28,-689.96)
  Bottom Layer w7: R15.2 R14.1 ; U1.11 -853.95,-680.29 v1(-844.28,-689.96)
CHGLED: U1.32 U4.1 | length 1501.7
  Top Layer w6: v1(-1193.93,-563.12) -1193.93,-558.24 -967.38,-331.69 -741.14,-331.69 -729.33,-343.5 -682.09,-343.5 -664.37,-325.79 -664.37,-259.84 -698.82,-225.39 -1024.61,-225.39 -1066.93,-183.07 -1066.93,-67.91 -1044.09,-45.08 v1(-903.48,-45.08)
  Bottom Layer w6: v1(-1193.93,-563.12) -1193.47,-562.67 -1155.23,-562.67 U1.32@-1154.78,-562.21
  Bottom Layer w7: v1@-902.49,-46.06 v1(-903.48,-45.08) -872.97,-45.08 U4.1
D+: CH340E.1 USB.A6 USB.B6 | length 2217.1
  Bottom Layer w7: CH340E.1 -1455.71,-550.2 -1485.24,-579.72 -1521.65,-616.14 -1521.65,-1200.04 -1446.9,-1274.8 -566.88,-1274.8 -299.02,-1006.94 -299.02,-988 ; USB.B6 -285.43,-974.41 -299.02,-988 ; USB.A6 -288.01,-935.04 -299.02,-946.06 -299.02,-988
D-: CH340E.2 USB.A7 USB.B7 | length 2259.9
  Bottom Layer w7: CH340E.2 -1436.02,-570.96 -1468.41,-603.35 -1469.49,-603.35 -1509.24,-643.09 -1509.24,-1195.49 -1441.93,-1262.8 -571.85,-1262.8 -311.02,-1001.97 -311.02,-934.06 -292.32,-915.35 USB.B7 -220.47,-915.35 -213.58,-922.24 -213.58,-942.91 -225.39,-954.72 USB.A7
DSINT: DS3231M.3 U1.41 | length 382
  Bottom Layer w7: DS3231M.3 -1216.16,-302.77 -1232.28,-318.9 -1232.28,-376.97 -1215.24,-394.01 -1081.2,-394.01 -1048.48,-426.73 U1.41@-1048.48,-455.91
DSSCL: DS3231M.8 R10.2 U1.40 | length 608.2
  Bottom Layer w6: R10.2 -1448.95,-242.13 -1409.6,-202.77 DS3231M.8 -1317.8,-202.77 -1289.27,-231.3 -1289.27,-363.33 -1274.61,-377.99 -1247.09,-405.51 -1092.52,-405.51 -1068.18,-429.85 U1.40@-1068.18,-455.91
DSSDA: DS3231M.7 R11.2 U1.39 | length 547.1
  Bottom Layer w6: R11.2 -1426,-252.77 DS3231M.7 -1316.93,-252.77 -1301.77,-267.93 -1301.77,-368.5 -1282.48,-387.8 -1250.98,-419.29 -1100.39,-419.29 -1087.88,-431.81 U1.39@-1087.88,-455.91
Gain: U2.10
GND: C1.2 C2.1 C3.2 C4.2 C5.1 C6.1 C7.2 C8.1 C10.2 C11.2 C12.2 C13.2 C14.2 C15.2 C16.2 C17.2 C18.1 C19.2 C20.2 C21.2 C22.2 C23.2 C24.2 C25.2 C26.1 C27.2 C28.1 C29.1 C30.2 CH340E.3 DS3231M.5 MIC1.2 MT3608.2 OLED.2 OLED.4 OLED.14 OLED.15 OLED.18 OLED.19 OLED.20 OLED.21 OLED.22 OLED.23 OLED.24 OLED.27 OLED.28 OLED.30 OLED.32 OLED.34 pad.0 R3.1 R4.2 R8.1 R12.2 R13.2 R15.1 RS.1 SH1.2 SW1.3 SW2.3 SWD.3 U1.8 U1.23 U1.35 U1.44 U1.47 U1.49 U2.4 U2.7 U2.11 U2.15 U3.2 U3.15 U4.2 USB.1 USB.2 USB.3 USB.4 USB.A1 USB.A12 USB.B1 USB.B12 | length 2365.2
  Bottom Layer w7: C1.2 v1(-1202.76,-628.94) ; U1.35@-1154.78,-503.11 -1107.58,-503.11 U1.49 ; v2(-1141.89,-843.78) -1141.89,-823.13 -1118.48,-799.72 -1079.21,-799.72 ; U1.23@-1107.58,-727.51 -1107.58,-680.31 U1.49 ; OLED.2@-1076.77,-835.69 -1076.77,-802.17 -1079.21,-799.72 ; OLED.4@-1037.4,-835.69 -1037.4,-804.65 -1042.33,-799.72 -1079.21,-799.72 ; U1.44@-989.48,-455.91 -989.48,-562.21 ; U1.47@-930.38,-455.91 -930.38,-503.11 -989.48,-562.21 ; U1.8@-883.18,-621.21 -989.48,-621.21 U1.49 ; U2.15 U2.15 U2.4 ; C30.2 -808.45,-706.31 v1(-782.48,-706.31) ; v1(-783.46,-506.89) -757.87,-506.89 C2.1 ; C8.1@-667.29,-322.85 v1(-633.89,-322.85) ; C21.2 C12.2 ; U1.49 -989.48,-562.21
  Bottom Layer w10: v1(-1466.54,-1187.99) -1418.46,-1187.99 MT3608.2 ; v1(-1349.5,-874.02) -1348.43,-875.09 v1(-1348.43,-929) -1314.21,-929 C7.2 C11.2 -1313.98,-874.23 v1(-1313.98,-846.57) R3.1 ; R8.1 -1036.67,-213.57 -989.84,-166.75 -989.84,-162.08 -986.23,-158.46 C15.2 ; v1(-1005.77,-102.36) -971.4,-102.36 R15.1 ; U2.11 U2.15 ; C5.1 C8.1 C6.1 -636.84,-237.23 v1(-636.84,-210.64) -636.84,-188.96 C27.2 ; v1(-633.89,-322.85) -633.89,-371.03 C13.2 -584.91,-385.11 v1(-575.49,-385.11) ; v1(-557.09,-348.43) -532.48,-348.43 C28.1 ; C3.2 v1(-409.45,-373.03) ; v1(-324.8,-625.01) -311.99,-612.2 -313.65,-612.2 v1(-324.8,-601.05) ; R4.2 v1(-50.2,-702.76)
  Bottom Layer w15: C23.2 -475.95,-98.43 v1(-454.68,-98.43) -454.68,-75.27 C22.2 ; C24.2 v1(-248.03,-103.77) -248.03,-91.96 C25.2
  other v1: -1314.96,-710.79 -455.61,-599.41 -1501.97,-514.76 -1501.97,-479.33 -563.15,-457.64 -833.66,-76.24
  other v2: -1173.23,-843.78 -1053.98,-661.71 -983.98,-661.71 -1088.98,-626.71 -948.98,-626.71 -1088.98,-556.71 -948.98,-556.71 -1053.98,-521.71 -983.98,-521.71
  other v3: -355.31,-1237.2 -606.22,-1121.06 -670.28,-1120.16 -729.33,-934 -638.33,-934 -542.33,-934 -379.92,-784.45
MICSHUTDN: U1.33 U2.2 | length 774.4
  Top Layer w6: v1(-1210.63,-541.31) -989.2,-319.87 v1(-700.78,-319.87)
  Bottom Layer w6: v1(-1210.63,-541.31) -1210.04,-541.91 -1155.38,-541.91 U1.33@-1154.78,-542.51 ; U2.2 -786.09,-270.66 -782.67,-274.07 -781.22,-274.07 -760.9,-294.39 -721.84,-294.39 -711.95,-304.28 -711.95,-304.92 -700.78,-316.08 v1(-700.78,-319.87)
NetC6_2: C6.2 U2.1 | length 61.4
  Bottom Layer w6: U2.1 -750.98,-254.92 C6.2
NetC8_2: C8.2 U2.3 | length 71.2
  Bottom Layer w6: U2.3 -784.45,-286.41 -748.03,-322.82 C8.2
NetC9_1: C9.1 U2.8 | length 69.7
  Bottom Layer w6: C9.1 -952.66,-379.91 -922.14,-349.4 U2.8
NetC9_2: C9.2 MIC1.1 R1.1 | length 328
  Bottom Layer w7: MIC1.1 -1088.58,-154.53 -1088.58,-221.44 R1.1 -1012.79,-297.23 -1012.79,-352.35 C9.2
NetC10_1: C10.1 U2.12 | length 80.6
  Bottom Layer w6: C10.1 -969.48,-312.14 -951.75,-294.41 -951.41,-294.41 -946.72,-289.72 -946.72,-289.37 -943.75,-286.41 U2.12
NetC28_2: C28.2 U3.1 | length 235.1
  Bottom Layer w7: C28.2 -615.16,-334.65 -615.16,-202.24 -579.72,-166.8 U3.1
NetC29_2: C29.2 D9.C DS3231M.6 | length 491.9
  Bottom Layer w7: DS3231M.6 -1405.13,-302.77 -1425.19,-322.82 -1482.33,-322.82 -1500,-305.16 -1500,-232.28 -1473.43,-205.71 -1439.94,-205.71 -1412.24,-178.01 -1387.3,-178.01 -1365.44,-156.15 D9.C
NetD3_A: D3.A L2.1 MT3608.1 | length 401.2
  Bottom Layer w10: MT3608.1 -1386.48,-1223.09 -1371.06,-1207.68 ; L2.1 -1371.06,-1072.91 -1371.06,-1207.68 ; D3.A -1246.05,-1249.02 -1363.19,-1249.02 -1371.06,-1241.14 -1371.06,-1207.68
NetD5_C: D5.C D6.C R4.1 U3.12 | length 825.8
  Top Layer w6: v1(-504.95,-316.95) v1(-322.84,-316.94) ; v1(-228.35,-348.43) -150.59,-348.43 v1@-126.97,-372.05
  Bottom Layer w6: U3.12 -505.24,-315.28 -503.57,-316.95 v1(-504.95,-316.95) ; v1(-322.84,-316.94) -259.83,-316.94 v1(-228.35,-348.43) ; R4.1 -153.54,-650.59 D5.C -191.93,-612.2 -191.93,-434.06 -161.42,-403.54 D6.C v1(-125.98,-374.02)
NetL1_1: L1.1 U3.8 U3.9
NetL1_2: L1.2 U3.6 U3.7
NetMT3608_3: MT3608.3 RB.2 RS.2 | length 303.2
  Bottom Layer w7: RB.2 -1454.57,-1133.57 -1439.85,-1148.29 MT3608.3
  Bottom Layer w9: RB.2 RS.2
NetOLED_5: OLED.5 R3.2 | length 280.3
  Bottom Layer w6: R3.2 -1243.11,-808.05 -1223.28,-788.22 -1037.56,-788.22 -1017.72,-808.07 OLED.5@-1017.72,-835.69
NetOLED_6: OLED.6 R2.2 | length 445
  Bottom Layer w6: R2.2 -1343.17,-777.22 -1027.89,-777.22 -998.03,-807.09 OLED.6@-998.03,-835.69
NetOLED_7: OLED.7 R2.1 | length 546.4
  Bottom Layer w6: R2.1 -1425.2,-788.39 -1369.89,-788.39 -1347.72,-766.22 -1016.26,-766.22 -978.35,-804.13 OLED.7@-978.35,-835.69
NetR1_2: R1.2 R6.1 U2.13 | length 522.2
  Bottom Layer w6: U2.13 -968.5,-270.66 R1.2 -994.09,-268.69 -1000,-262.78 -1000,-196.46 -990.55,-187.01 -943.76,-187.01 -934.31,-196.46 -766.83,-196.46 -757.25,-186.87 -693.03,-186.87 R6.1@-669.29,-210.62 ; R6.1@-669.29,-217.51 R6.1@-669.29,-210.62 ; R6.1@-669.29,-207.67 R6.1@-669.29,-210.62 ; R6.1 R6.1@-669.29,-210.62
NetR6_2: R6.2 R8.2 U2.14 | length 266.9
  Bottom Layer w6: R8.2 -929.12,-254.92 U2.14 -870.07,-212.59 R6.2
NetR7_2: R7.2 SYS.2 | length 59.3
  Bottom Layer w10: R7.2 -279.53,-350.39 SYS.2
NetR9_2: R9.2 R12.1 U3.3 | length 128.7
  Bottom Layer w7: R9.2 R12.1 -531.5,-113.5 -505.24,-139.76 U3.3
NetR13_1: R13.1 U4.6 | length 165.7
  Bottom Layer w6: U4.6 -871.98,-139.57 -855.25,-122.83 -757.15,-122.83 R13.1
NRST: C20.1 R5.2 U1.7 | length 419.1
  Top Layer w6: v1(-819.88,-601.28) -818.77,-602.39 v1(-556.13,-602.39)
  Bottom Layer w6: v1(-556.13,-602.39) -544.29,-590.55 R5.2 -544.12,-571.68 C20.1
  Bottom Layer w8: U1.7@-883.18,-601.51 -882.94,-601.28 v1(-819.88,-601.28)
OLEDCS: OLED.26 U1.14 | length 406.2
  Bottom Layer w7: U1.14@-930.38,-727.51 -930.38,-746.42 -916.16,-760.64 -637.98,-760.64 -604.33,-794.29 OLED.26@-604.33,-835.69
OLEDDC: OLED.25 U1.13 | length 355.6
  Top Layer w7: v1(-881.89,-733.27) -856.3,-758.86 -670.28,-758.86 v1(-648.62,-780.51)
  Bottom Layer w7: U1.13@-910.68,-741.88 U1.13@-910.68,-727.51 ; -904.92,-733.27 v1(-881.89,-733.27) ; v1(-648.62,-780.51) -624.02,-805.12 OLED.25@-624.02,-835.69
OLEDRST: OLED.29 U1.12 | length 431
  Bottom Layer w7: U1.12@-883.18,-700.01 -863.96,-700.01 -815.34,-748.64 -569.28,-748.64 -545.28,-772.64 OLED.29@-545.28,-835.69
OLEDSCK: OLED.16 U1.15 | length 227.5
  Bottom Layer w7: U1.15@-950.08,-727.51 -950.08,-750.71 -928.15,-772.64 -829.72,-772.64 -801.18,-801.18 OLED.16@-801.18,-835.69
OLEDSDA: OLED.17 U1.17 | length 295.2
  Top Layer w7: v1(-970.47,-772.64) -798.23,-772.64 v1(-781.5,-789.37)
  Bottom Layer w7: U1.17@-989.48,-727.51 -989.48,-753.63 v1(-970.47,-772.64) ; OLED.17@-781.5,-835.69 v1(-781.5,-789.37)
OLEDVPP: C7.1 C11.1 C12.1 D3.C OLED.3 OLED.33 RB.1 | length 1663
  Bottom Layer w7: RB.1 -1383.7,-946.02 -1367.13,-962.6 -1275.22,-962.6 C7.1
  Bottom Layer w10: D3.C -1227.05,-1143.39 -1227.05,-945.3 C7.1 C11.1 -1063.84,-874.86 ; OLED.3@-1057.09,-835.69 -1057.09,-868.11 -1063.84,-874.86 ; C12.1 -466.54,-727.36 -466.54,-835.69 -466.54,-1002.95 -498.03,-1034.45 -904.25,-1034.45 -1063.84,-874.86
OSC32-IN: U1.3
OSC32-OUT: U1.4
OSC-IN: C2.2 U1.5 X1.1 | length 236.2
  Bottom Layer w7: U1.5@-883.18,-562.21 -776.56,-562.21 -774.61,-564.16 -684.24,-564.16 X1.1
OSC-OUT: C18.2 U1.6 X1.2 | length 246.2
  Bottom Layer w7: U1.6@-883.18,-581.91 -808.84,-581.91 C18.2 -714.57,-634.84 X1.2@-675.2,-674.21
OUT: U1.10 U2.6 | length 417.8
  Top Layer w7: v1(-845.47,-661.42) -852.36,-654.53 -852.36,-574.8 -803.15,-525.59 -803.15,-488.66 v1(-771.65,-457.16)
  Bottom Layer w6: U2.6 -781.49,-333.66 -774.48,-340.67 -774.48,-454.34 v1(-771.65,-457.16)
  Bottom Layer w7: U1.10@-883.18,-660.61 v1@-846.28,-660.61
PA6: U1.16
PA8: U1.29
PA9: CH340E.9 U1.30 | length 538.2
  Bottom Layer w7: CH340E.9 -1436.02,-759.84 -1448.63,-772.45 -1474.6,-772.45 -1485.24,-761.81 -1485.24,-666.34 -1420.41,-601.51 U1.30@-1154.78,-601.51
PA10: CH340E.8 U1.31 | length 610.7
  Bottom Layer w7: CH340E.8 -1416.34,-759.84 -1440.94,-784.45 -1488,-784.45 -1497.05,-775.4 -1497.05,-766.97 -1497.24,-766.78 -1497.24,-661.37 -1417.78,-581.91 U1.31@-1154.78,-581.91
PA15: U1.38
PB0: U1.18
PB1: U1.19
PB2: U1.20
PB6: D6.A SW1.1 U1.42 WY.1 | length 2141.1
  Top Layer w6: WY.1 -907.96,-367.26 -977.42,-367.26 v1(-1028.54,-418.31) v1(-1028.54,-418.31) -1028.54,-429.13 -921.26,-536.42 -921.26,-662.4 -838.84,-744.82 v1(-396.65,-744.82)
  Bottom Layer w6: U1.42 -1028.82,-418.58 v1(-1028.54,-418.31) ; v1(-396.65,-744.82) -186.62,-744.82 -170.8,-760.64 -110.05,-760.64 -94.23,-744.82 -35.17,-744.82 -14.76,-724.41 -14.76,-373.03 ; SW1.1 -144.7,-229.32 -14.76,-359.25 -14.76,-373.03 ; D6.A -15.75,-374.02 -14.76,-373.03
PB7: SW2.1 U1.43 | length 1603.4
  Top Layer w6: v1(-998.03,-416.34) -998.03,-441.93 -909.45,-530.51 -909.45,-656.5 -848.43,-717.52 -796.73,-717.52 -789.94,-724.31 -775.02,-724.31 -768.23,-717.52 v1(-395.67,-717.52)
  Bottom Layer w6: U1.43 -1009.14,-427.44 v1(-998.03,-416.34) ; v1(-395.67,-717.52) -379.92,-733.27 -182.62,-733.27 -166.25,-749.64 -114.6,-749.64 -98.78,-733.82 -40.91,-733.82 -25.76,-718.68 -25.76,-578.57 -44.29,-560.04 -89.57,-560.04 -144.7,-504.91 SW2.1
PB8: U1.45
PB9: D5.A U1.46 | length 1381.1
  Top Layer w6: v1(-950.79,-417.32) -950.79,-450.27 -880.23,-520.83 -880.23,-532.17 -872.05,-540.35 -843.5,-540.35 -822.83,-519.69 -822.83,-482.89 -777.9,-437.95 -759.03,-437.95 -747.36,-449.62 v1(-607.28,-449.62)
  Bottom Layer w6: v1(-950.79,-417.32) -950.08,-418.03 U1.46 ; v1(-607.28,-449.62) -594.67,-437.01 -500.98,-437.01 -437.61,-500.38 -437.61,-606.87 -452.76,-622.01 -452.76,-678.15 -431.39,-699.52 -215.83,-699.52 -193.09,-722.27 -178.06,-722.27 -161.69,-738.64 -123.48,-738.64 -116.14,-731.3 -116.14,-686.02 D5.A
PB10: U1.21
PB12: MT3608.4 U1.25 | length 552.7
  Top Layer w6: v1(-1247.05,-974.41) -1247.05,-753.94 v1(-1192.91,-699.8)
  Bottom Layer w6: MT3608.4 -1273.23,-1148.29 -1247.05,-1122.1 v1(-1247.05,-974.41) ; v1(-1192.91,-699.8) -1192.7,-700.01 U1.25@-1154.78,-700.01
PB13: U1.26
PB14: U1.27
PB15: U1.28
PC13: R7.1 U1.2 | length 662.3
  Top Layer w6: v1(-846.28,-502.58) -833.83,-490.14 -833.83,-478.33 -782.46,-426.95 -751.76,-426.95 -744.09,-419.29 -393.7,-419.29 v1(-322.83,-348.43)
  Bottom Layer w6: U1.2@-883.18,-503.11 -846.81,-503.11 v1(-846.28,-502.58) ; R7.1 -323.82,-347.44 v1(-322.83,-348.43)
SWCLK: SWD.1 U1.37 | length 170.9
  Bottom Layer w7: SWD.1 -1295.07,-455.91 U1.37@-1127.28,-455.91
SWDIO: SWD.2 U1.34 | length 230.1
  Bottom Layer w7: SWD.2 -1311.02,-499.02 -1235.41,-499.02 -1211.61,-522.81 U1.34@-1154.78,-522.81
VCAP1: C14.1 U1.22 | length 197.6
  Bottom Layer w6: C14.1 -1227.02,-755.22 -1098.28,-755.22 -1087.88,-744.82 U1.22@-1087.88,-727.51 ; U1.22@-1089.85,-727.51 U1.22@-1089.85,-714.72
pads on no net: CH340E.4 CH340E.5 CH340E.6 DS3231M.1 DS3231M.4 MT3608.6 OLED.0 OLED.1 OLED.9 OLED.10 OLED.11 OLED.12 OLED.13 OLED.35 SH1.GND U3.14 U4.5 USB.0 USB.A5 USB.A8 USB.B5 USB.B8

## Polygon pours and split planes (outlines as drawn)
GND on Top Layer "Top Layer-No Net" (solid, remove dead copper, pour order 0): -1535.43,0 0,0 0,-1299.21 -1535.43,-1299.21
GND on Bottom Layer "Top Layer-No Net" (solid, remove dead copper, pour order 4): -1537.18,-0.72 -1.75,-0.72 -1.75,-1299.93 -1537.18,-1299.93

## Keep-outs
Keep-Out Layer:
  the board outline again, w6

## Other copper
Bottom Layer:
  region net NetL1_1: -239.17,-299.64 -239.17,-274.05 -448.82,-274.05 -448.82,-299.64
  region net NetL1_2: -239.17,-180.54 -239.17,-153.97 -447.83,-153.97 -447.83,-180.54
  rectangle net GND: -1328.74,-746.06 -1300.2,-664.72
  rectangle net OLEDVPP: -1256.89,-945.87 -1222.08,-857.28

## Silkscreen, mask and mechanical layers (free items; w line width, h text height)
Bottom Overlay:
  text "G" at -1453.74,-471.46 h57.09
  text "V03" at -1015.75,-1240.16 h100
  text "Thunder-Refix" at -403.54,-1242.13 h150